# KiCad board mainboard.kicad_pcb
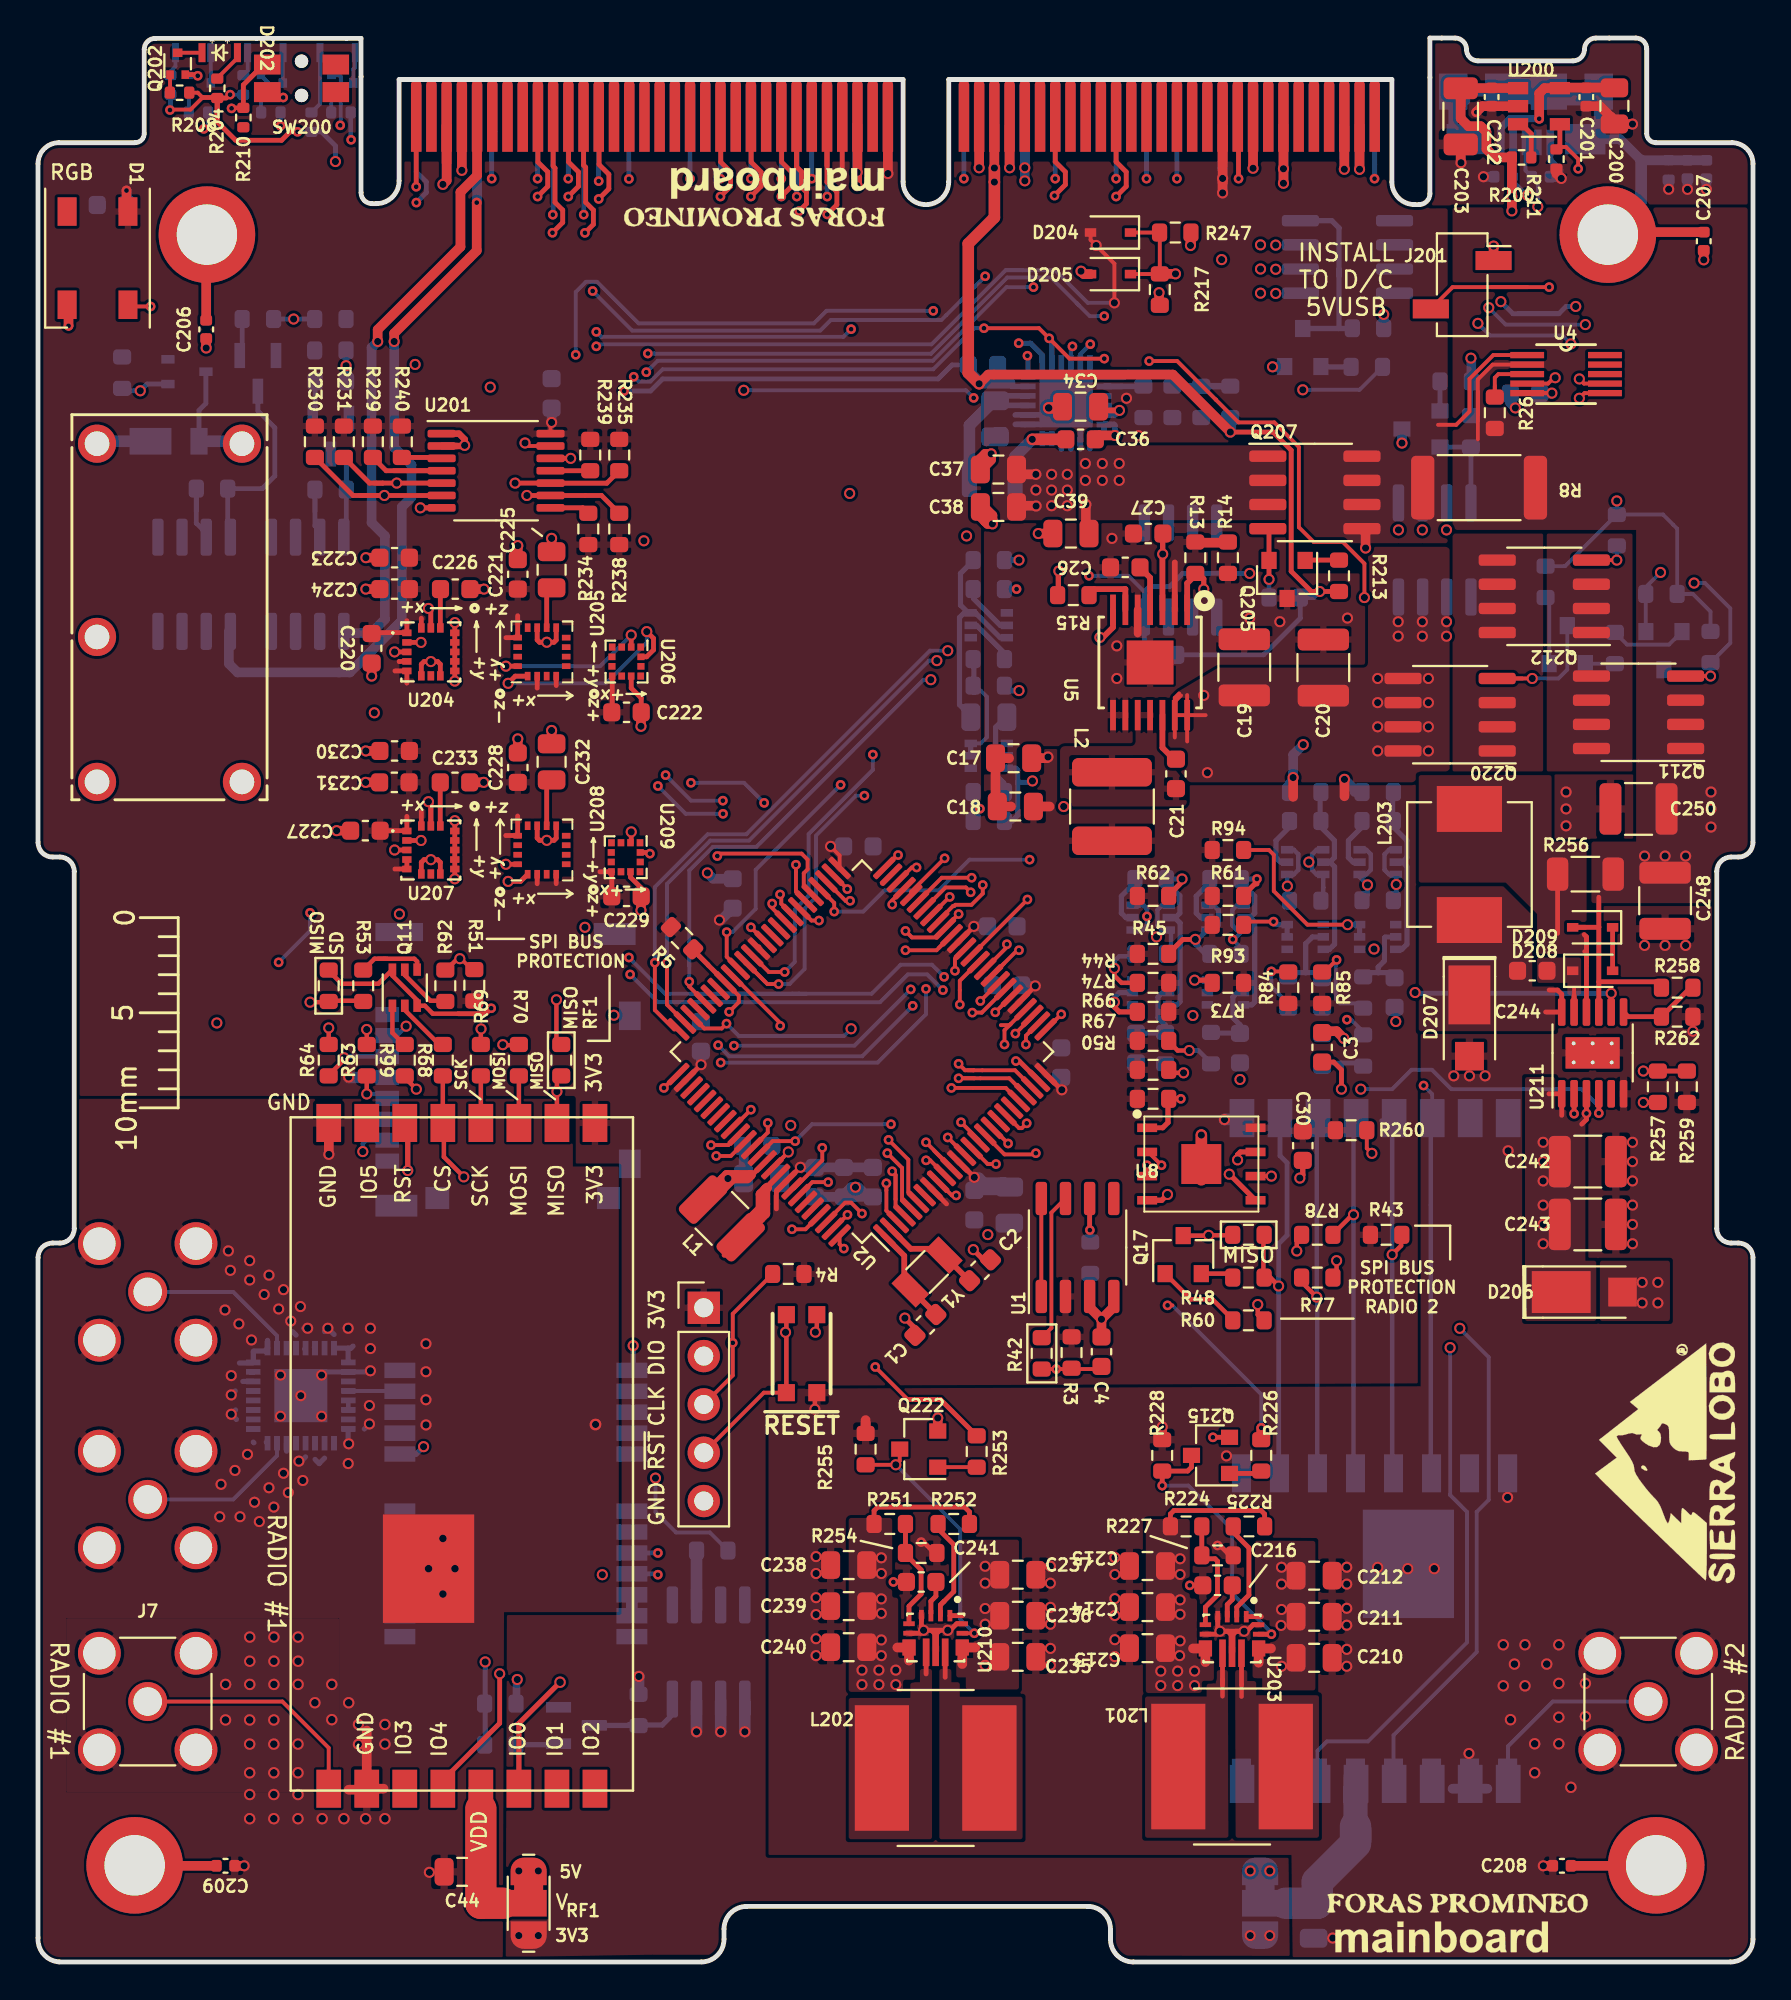
[diagram p0: board, top side]
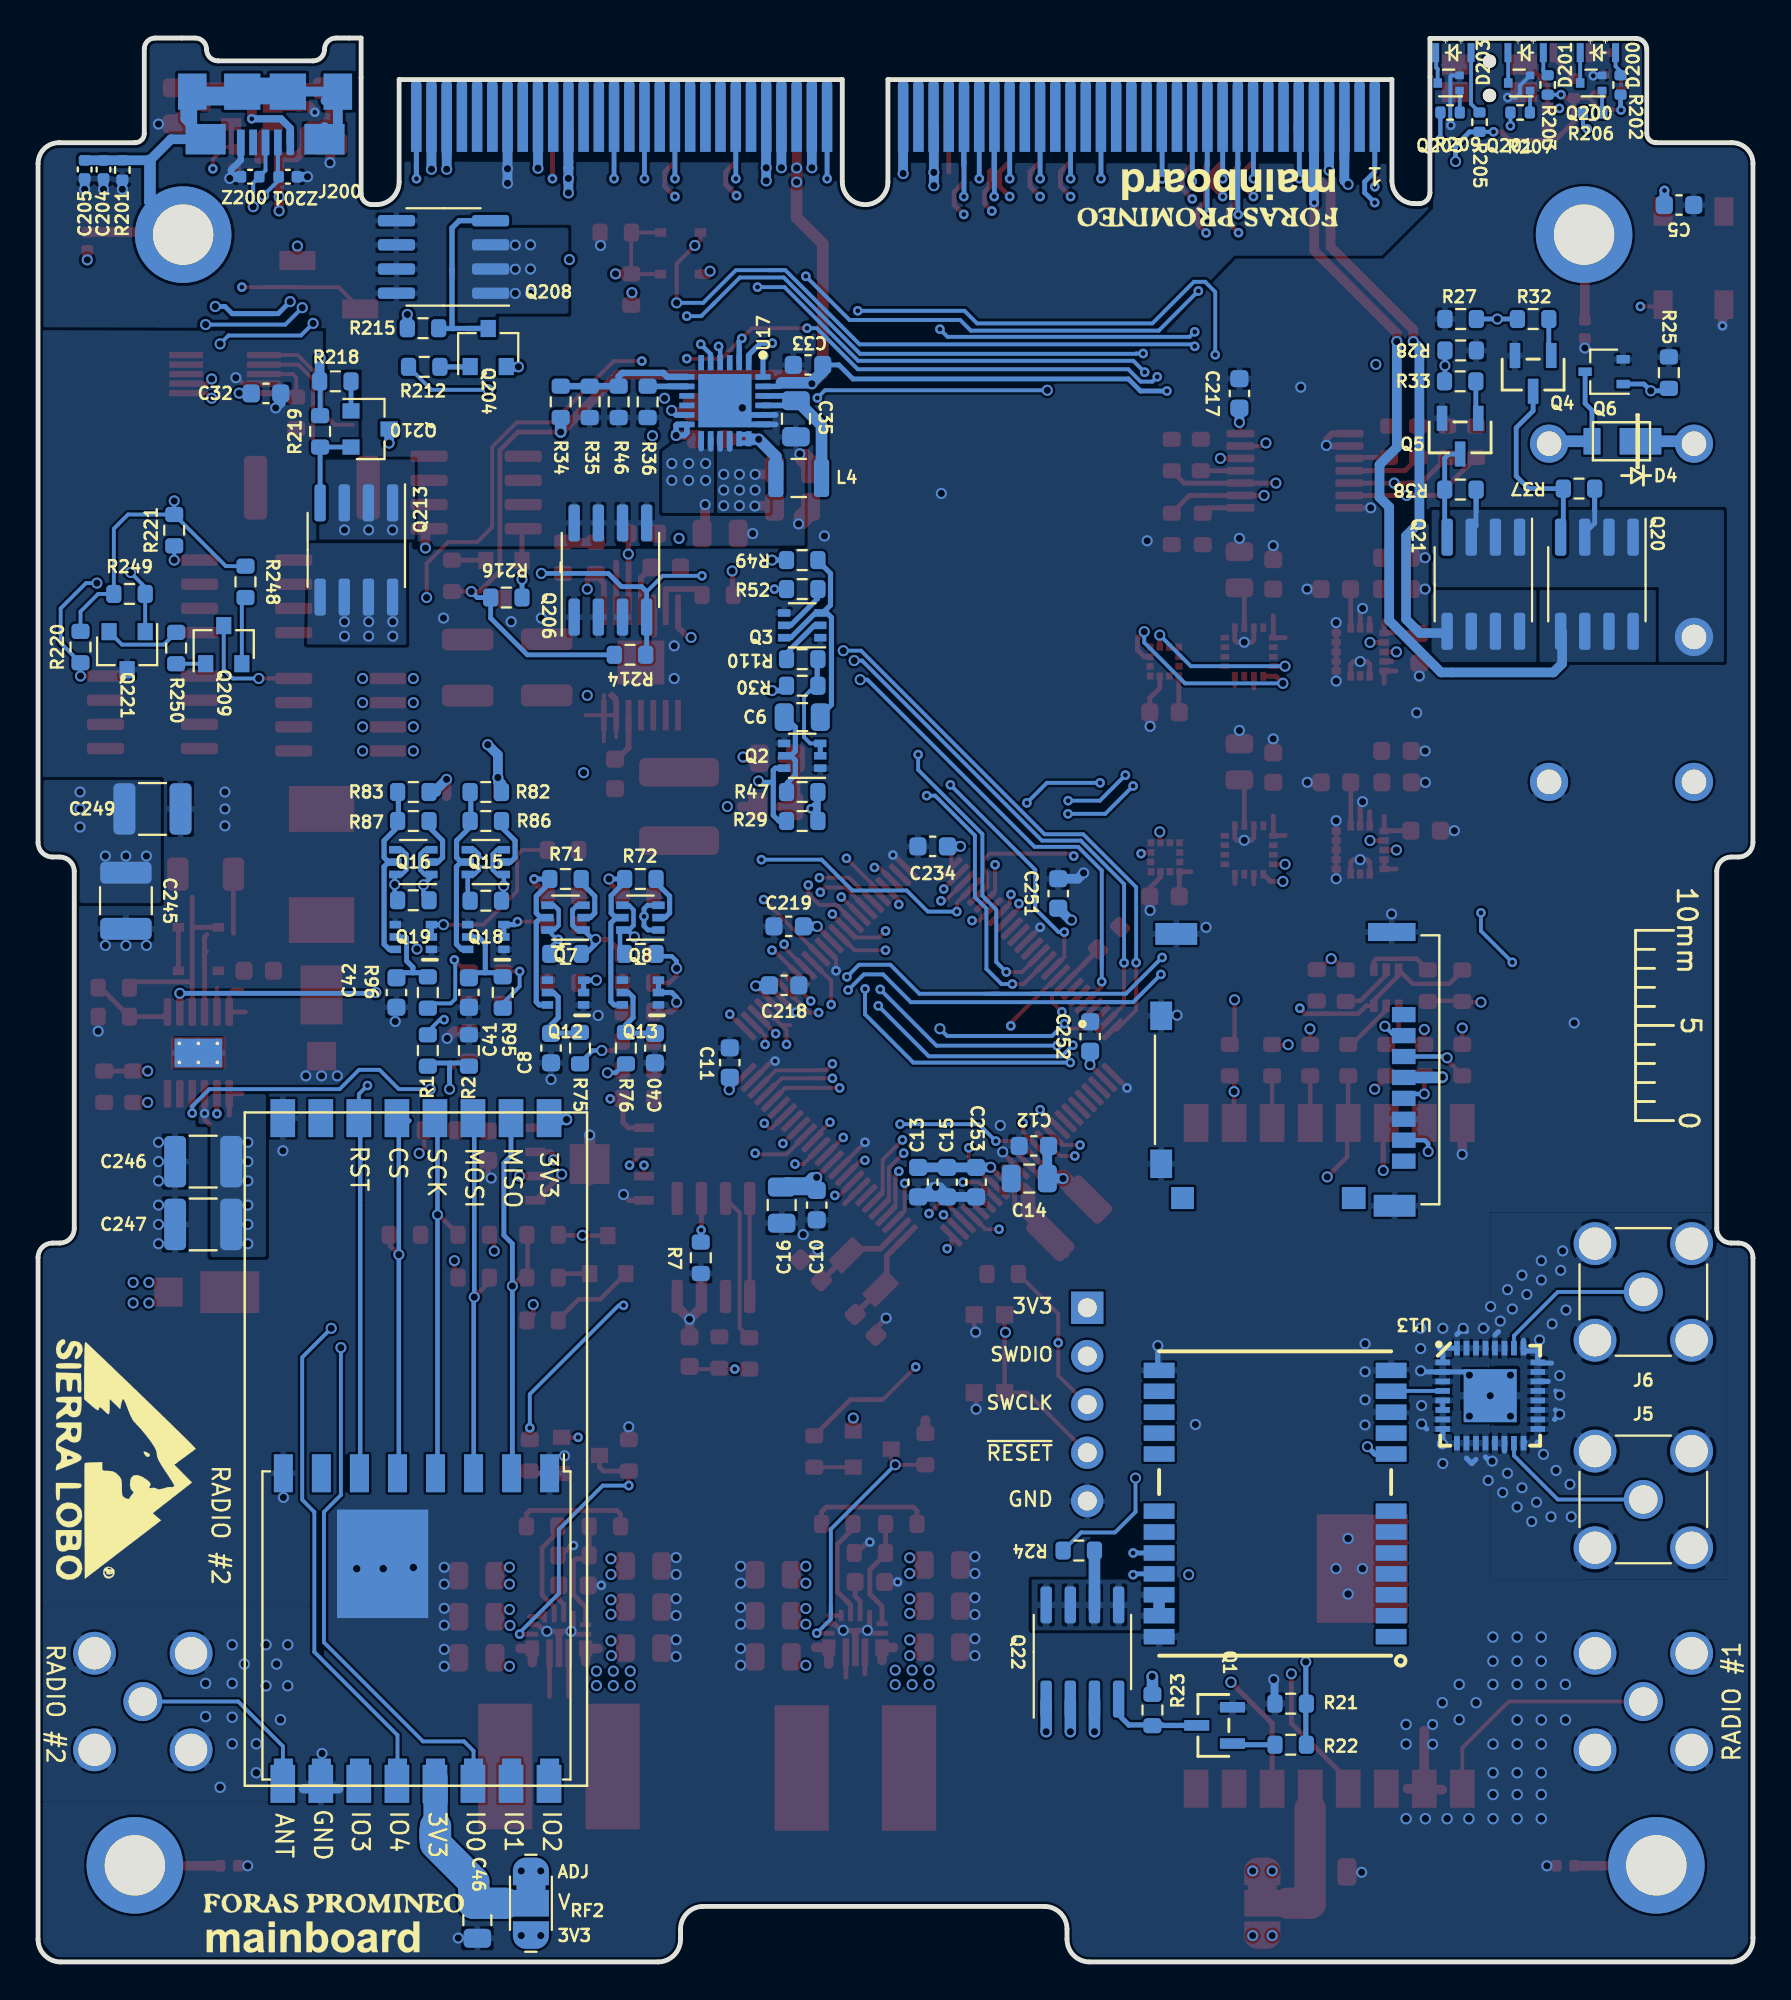
[diagram p1: board, bottom side, seen from below]

Outline 90.17 x 101.14 mm; copper layers: Top, In1.Cu, In2.Cu, In3.Cu, In4.Cu, Bottom. Coordinates in mm from the lower left corner of the outline.
Outline path: 5.58,100.55 5.58,96.13 arc(5.44,95.78) 5.1,95.64 1.1,95.64 arc(0.32,95.32) 0,94.54 0,58.85 arc(0.22,58.31) 0.76,58.09 1.14,58.09 arc(1.68,57.87) 1.91,57.33 1.91,38.56 arc(1.68,38.02) 1.14,37.8 0.76,37.8 arc(0.22,37.57) 0,37.03 0,1.27 arc(0.3,0.4) 1.12,0 34.87,0 arc(35.72,0.35) 36.07,1.19 36.07,1.73 arc(36.42,2.57) 37.26,2.92 55.19,2.92 arc(56.04,2.57) 56.39,1.73 56.39,1.19 arc(56.74,0.35) 57.58,0 88.98,0 arc(89.82,0.35) 90.17,1.19 90.17,37.03 arc(89.95,37.57) 89.41,37.8 89.03,37.8 arc(88.49,38.02) 88.27,38.56 88.27,57.33 arc(88.49,57.87) 89.03,58.09 89.41,58.09 arc(89.95,58.31) 90.17,58.85 90.17,94.54 arc(89.85,95.32) 89.07,95.64 85.07,95.64 arc(84.73,95.78) 84.58,96.13 84.58,100.58 arc(84.42,100.98) 84.02,101.14 81.91,101.14 arc(81.48,100.97) 81.31,100.54 arc(81.13,100.12) 80.71,99.94 75.71,99.94 arc(75.28,100.12) 75.11,100.54 arc(74.93,100.97) 74.51,101.14 73.18,101.14 73.18,99.06 73.18,92.96 arc(73.02,92.56) 72.61,92.39 72.38,92.39 arc(71.54,92.74) 71.18,93.59 71.18,98.96 47.88,98.96 47.88,93.59 arc(46.68,92.39) 45.48,93.59 45.48,98.96 18.98,98.96 18.98,93.64 arc(18.63,92.79) 17.78,92.44 17.56,92.44 arc(17.15,92.61) 16.98,93.01 16.98,99.11 16.98,101.13 16.2,101.13 11.5,101.13 6.16,101.13 arc(5.75,100.96) 5.58,100.55

## Placement (name value [footprint] x y rotation side)
C1  8pF  [C_0603_1608Metric]  46.66 33.49 225 top
C2  8pF  [C_0603_1608Metric]  49.53 36.36 45 top
C3  0.1uF  [C_0603_1608Metric]  67.52 48.08 90 top
C4  1uF  [C_0603_1608Metric]  55.91 32.08 270 top
C5  0.1uF  [C_0603_1608Metric]  3.89 92.37 180 bottom
C6  10uF  [C_0805_2012Metric]  49.99 65.44 0 bottom
C8  10nF  [C_0603_1608Metric]  63.2 48.04 270 bottom
C10  0.1uF  [C_0603_1608Metric]  49.23 39.79 270 bottom
C11  0.1uF  [C_0603_1608Metric]  53.8 47.28 90 bottom
C12  1uF  [C_0603_1608Metric]  37.81 42.9 180 bottom
C13  1uF  [C_0603_1608Metric]  43.89 41 270 bottom
C14  10uF  [C_0805_2012Metric]  38.05 41.19 0 bottom
C15  1uF  [C_0603_1608Metric]  42.37 41 270 bottom
C16  10uF  [C_0805_2012Metric]  51.07 39.79 270 bottom
C17  22uF  [C_0805_2012Metric]  51.29 63.28 0 top
C18  22uF  [C_0805_2012Metric]  51.39 60.74 0 top
C19  100uF  [C_1210_3225Metric]  63.42 68.06 90 top
C20  100uF  [C_1210_3225Metric]  67.58 68.05 90 top
C21  0.1uF  [C_0603_1608Metric]  59.83 62.46 90 top
C26  3.3nF  [C_0603_1608Metric]  57.17 73.32 180 top
C27  1uF  [C_0603_1608Metric]  58.37 75.1 180 top
C30  0.1uF  [C_0603_1608Metric]  66.5 42.92 270 top
C32  3.3nF  [C_0603_1608Metric]  78.18 82.46 0 bottom
C33  1uF  [C_0603_1608Metric]  49.69 83.96 180 bottom
C34  4.7uF  [C_0805_2012Metric]  54.82 81.76 180 top
C35  10uF  [C_0805_2012Metric]  50.32 81.13 90 bottom
C36  47nF  [C_0603_1608Metric]  54.82 80.05 0 top
C37  22uF  [C_0805_2012Metric]  50.5 78.46 0 top
C38  22uF  [C_0805_2012Metric]  50.5 76.49 0 top
C39  10uF  [C_0805_2012Metric]  54.31 75.1 0 top
C40  10nF  [C_0603_1608Metric]  57.74 48.04 270 bottom
C41  10nF  [C_0603_1608Metric]  67.52 50.97 270 bottom
C42  10nF  [C_0603_1608Metric]  71.33 50.97 270 bottom
C44  10uF  [C_0805_2012Metric]  22.3 4.74 0 top
C46  10uF  [C_0805_2012Metric]  67.07 2.2 90 bottom
C200  10uF  [C_0805_2012Metric]  82.88 97.58 270 top
C201  0.1uF  [C_0402_1005Metric]  81.41 98.04 270 top
C202  0.1uF  [C_0402_1005Metric]  76.43 98.04 270 top
C203  47uF  [C_1206_3216Metric]  74.8 97.03 270 top
C204  0.1uF  [C_0402_1005Metric]  86.73 94.23 270 bottom
C205  1nF  [C_0402_1005Metric]  87.72 94.23 270 bottom
C206  0.1uF  [C_0402_1005Metric]  8.84 85.83 90 top
C207  0.1uF  [C_0402_1005Metric]  87.58 90.46 90 top
C208  0.1uF  [C_0402_1005Metric]  80.12 5.05 0 top
C209  0.1uF  [C_0402_1005Metric]  9.86 5.05 180 top
C210  10uF  [C_0805_2012Metric]  67.1 15.99 0 top
C211  10uF  [C_0805_2012Metric]  67.1 18.15 0 top
C212  10uF  [C_0805_2012Metric]  67.1 20.31 0 top
C213  22uF  [C_0805_2012Metric]  58.33 16.5 180 top
C214  22uF  [C_0805_2012Metric]  58.33 18.66 180 top
C215  22uF  [C_0805_2012Metric]  58.33 20.82 180 top
C216  0.1uF  [C_0603_1608Metric]  62.02 19.8 0 top
C217  0.1uF  [C_0603_1608Metric]  27 82.46 90 bottom
C218  0.1uF  [C_0603_1608Metric]  50.94 51.35 180 bottom
C219  0.1uF  [C_0603_1608Metric]  50.7 54.44 0 bottom
C220  10nF  [C_0603_1608Metric]  17.54 69.06 270 top
C221  1uF  [C_0603_1608Metric]  25.22 72.95 90 top
C222  1uF  [C_0603_1608Metric]  30.94 65.7 0 top
C223  2.2uF  [C_0603_1608Metric]  18.75 73.83 180 top
C224  0.1uF  [C_0603_1608Metric]  18.75 72.17 180 top
C225  10uF  [C_0805_2012Metric]  27 73.19 90 top
C226  0.47uF  [C_0603_1608Metric]  21.94 72.17 0 top
C227  10nF  [C_0603_1608Metric]  17.21 59.47 180 top
C228  1uF  [C_0603_1608Metric]  25.22 62.79 90 top
C229  1uF  [C_0603_1608Metric]  30.94 56.02 0 top
C230  2.2uF  [C_0603_1608Metric]  18.75 63.67 180 top
C231  0.1uF  [C_0603_1608Metric]  18.73 62.01 180 top
C232  10uF  [C_0805_2012Metric]  27 63.09 90 top
C233  0.47uF  [C_0603_1608Metric]  21.92 62.01 0 top
C234  0.1uF  [C_0603_1608Metric]  43.13 58.65 0 bottom
C235  10uF  [C_0805_2012Metric]  51.51 16.04 0 top
C236  10uF  [C_0805_2012Metric]  51.51 18.2 0 top
C237  10uF  [C_0805_2012Metric]  51.51 20.36 0 top
C238  22uF  [C_0805_2012Metric]  42.62 20.87 180 top
C239  22uF  [C_0805_2012Metric]  42.62 18.71 180 top
C240  22uF  [C_0805_2012Metric]  42.62 16.55 180 top
C241  0.1uF  [C_0603_1608Metric]  46.43 19.98 0 top
C242  10uF  [C_1210_3225Metric]  81.49 42.08 0 top
C243  10uF  [C_1210_3225Metric]  81.49 38.77 0 top
C244  1uF  [C_0603_1608Metric]  78.56 52.11 0 top
C245  10uF  [C_1210_3225Metric]  85.55 55.79 270 bottom
C246  10uF  [C_1210_3225Metric]  81.49 42.08 0 bottom
C247  10uF  [C_1210_3225Metric]  81.49 38.77 0 bottom
C248  10uF  [C_1210_3225Metric]  85.55 55.79 270 top
C249  100uF  [C_1210_3225Metric]  84.15 60.62 180 bottom
C250  100uF  [C_1210_3225Metric]  84.15 60.62 180 top
C251  0.1uF  [C_0603_1608Metric]  36.53 56.17 90 bottom
C252  0.1uF  [C_0603_1608Metric]  34.85 48.65 90 bottom
C253  0.1uF  [C_0603_1608Metric]  40.85 41 270 bottom
D1  WS2812B  [LED_WS2812B_PLCC4_5.0x5.0mm_P3.2mm]  3.13 89.57 270 top
D4  DFLS130L  [PWRDI-123]  7.01 79.95 0 bottom
D200  RED  [APA2107x]  8.15 100.38 270 bottom
D201  YELLOW  [APA2107x]  11.95 100.38 270 bottom
D202  GREEN  [APA2107x]  9.55 100.38 270 top
D203  ORANGE  [APA2107x]  15.75 100.38 270 bottom
D204  1N4148WSTR  [D_SOD-323]  56.39 90.92 180 top
D205  1N4148WSTR  [D_SOD-323]  56.39 88.73 180 top
D206  V4PAL45HM3_A/I  [SMPA]  81.3 35.22 0 top
D207  V4PAL45HM3_A/I  [SMPA]  75.26 49.63 270 top
D208  1N4148WSTR  [D_SOD-323]  81.74 52.11 0 top
D209  1N4148WSTR  [D_SOD-323]  81.74 54.39 180 top
G***  LOGO  [foraspromineo]  74.63 3.09 0 top
G***#2  LOGO  [foraspromineo]  37.67 91.73 180 top
G***#3  LOGO  [sierra_logo]  85.55 26.2 90 top
G***#4  LOGO  [foraspromineo]  74.63 3.09 180 bottom
G***#5  LOGO  [foraspromineo]  28.65 91.73 0 bottom
G***#6  LOGO  [sierra_logo]  85.55 26.45 270 bottom
H200  MountingHole_Pad  [125mil_hole]  8.88 90.81 90 top
H201  SLI-Backplane-Blank-Card-KiCad:125mil_hole  [125mil_hole]  82.54 90.81 0 top
H202  SLI-Backplane-Blank-Card-KiCad:125mil_hole  [125mil_hole]  85.08 5.08 0 top
H203  SLI-Backplane-Blank-Card-KiCad:125mil_hole  [125mil_hole]  5.08 5.08 0 top
J1  503182-1852  [MOLEX_503182-1852]  24.72 46.9 270 bottom
J2  Conn_01x05  [PinHeader_1x05_P2.54mm_Vertical]  35 34.39 0 top
J5  Amphenol_901-144  [SMA_Amphenol_901-144_Vertical]  5.77 24.32 0 bottom
J6  Amphenol_901-144  [SMA_Amphenol_901-144_Vertical]  5.77 35.23 0 bottom
J7  Amphenol_901-144  [SMA_Amphenol_901-144_Vertical]  5.77 13.69 0 top
J12  Amphenol_901-144  [SMA_Amphenol_901-144_Vertical]  84.66 13.69 0 top
J200  -  [ZX62-AB-5PA(31)]  78.23 101.13 0 bottom
J201  TSM-102-01-L-SV-P-TR  [PinSocket_1x02_P2.54mm_Vertical_SMD_Pin1Right]  74.88 88.18 0 top
JP6  Jumper_3_Bridged12  [SolderJumper-3_P1.3mm_Bridged12_RoundedPad1.0x1.5mm]  25.8 3.09 270 top
JP7  Jumper_3_Bridged12  [SolderJumper-3_P1.3mm_Bridged12_RoundedPad1.0x1.5mm]  64.26 3.09 270 bottom
L1  10uH  [L_1210_3225Metric]  35.96 39.09 315 top
L2  3.3uH  [L_2141]  56.47 60.74 270 top
L4  1uH  [L_2510]  50.17 78.02 0 bottom
L201  1.5uH  [L_Bourns_SRN8040TA]  62.78 10.27 180 top
L202  1.5uH  [L_Bourns_SRN8040TA]  47.2 10.2 180 top
L203  22uH  [L_Vishay_IHLP-2525]  75.26 57.7 270 top
P1  Card Edge for HSEC8-160-01-S-DV-A-K-TR  [HSEC8-160-CARD-EDGE]  45.48 98.96 0 top
Q1  DMN100-7-F  [SOT-23#2]  28.37 12.44 90 bottom
Q2  MMDT5551-7-F  [SOT-363_SC-70-6]  49.99 63.41 0 bottom
Q3  MMDT5551-7-F  [SOT-363_SC-70-6]  49.99 70.27 0 bottom
Q4  DMN100-7-F  [SOT-23#2]  11.56 83.45 0 bottom
Q5  DMN100-7-F  [SOT-23#2]  15.4 80.15 0 bottom
Q6  SMMBT2222AWT1G  [SOT-323_SC-70]  7.83 83.6 0 bottom
Q7  MMDT5551-7-F  [SOT-363_SC-70-6]  62.44 54.9 0 bottom
Q8  MMDT5551-7-F  [SOT-363_SC-70-6]  58.5 54.9 0 bottom
Q11  MMDT2907AQ-7-F  [SOT-363_SC-70-6]  19.28 51.22 90 top
Q12  -  [BSS138DWQ-7]  62.44 50.97 0 bottom
Q13  -  [BSS138DWQ-7]  58.5 50.97 0 bottom
Q15  MMDT5551-7-F  [SOT-363_SC-70-6]  66.63 57.82 0 bottom
Q16  MMDT5551-7-F  [SOT-363_SC-70-6]  70.44 57.82 0 bottom
Q17  FJV992FMTF  [SOT-23]  60.21 37.19 90 top
Q18  -  [BSS138DWQ-7]  66.63 53.89 0 bottom
Q19  -  [BSS138DWQ-7]  70.44 53.89 0 bottom
Q20  IRF7404TRPBF  [SOIC-8_3.9x4.9mm_P1.27mm]  8.21 72.43 270 bottom
Q21  IRF7404TRPBF  [SOIC-8_3.9x4.9mm_P1.27mm]  14.18 72.43 270 bottom
Q22  IRF7404TRPBF  [SOIC-8_3.9x4.9mm_P1.27mm]  35.26 16.29 90 bottom
Q200  BC847BM3T5G  [SOT-723]  8.51 98.78 0 bottom
Q201  BC847BM3T5G  [SOT-723]  12.29 98.78 0 bottom
Q202  BC847BM3T5G  [SOT-723]  7.34 99.8 90 top
Q203  BC847BM3T5G  [SOT-723]  16 98.78 0 bottom
Q204  MMBT3906-7-F  [SOT-23]  66.5 84.87 90 bottom
Q205  MMBT4401-7-F  [SOT-23]  65.67 72.68 270 top
Q206  IRF7458  [SOIC-8_3.9x4.9mm_P1.27mm]  60.07 73.18 90 bottom
Q207  IRF7404  [SOIC-8_3.9x4.9mm_P1.27mm]  67.13 77.25 0 top
Q208  IRF7458  [SOIC-8_3.9x4.9mm_P1.27mm]  68.85 89.64 0 bottom
Q209  MMBT3906-7-F  [SOT-23]  80.41 69.25 90 bottom
Q210  MMBT4401-7-F  [SOT-23]  72.71 80.59 180 bottom
Q211  IRF7404  [SOIC-8_3.9x4.9mm_P1.27mm]  84.15 65.7 180 top
Q212  IRF7404  [SOIC-8_3.9x4.9mm_P1.27mm]  79.2 71.79 180 top
Q213  IRF7404  [SOIC-8_3.9x4.9mm_P1.27mm]  73.43 74.23 270 bottom